# Altium PCB ESP12_RGBW_01.PcbDoc (continued)
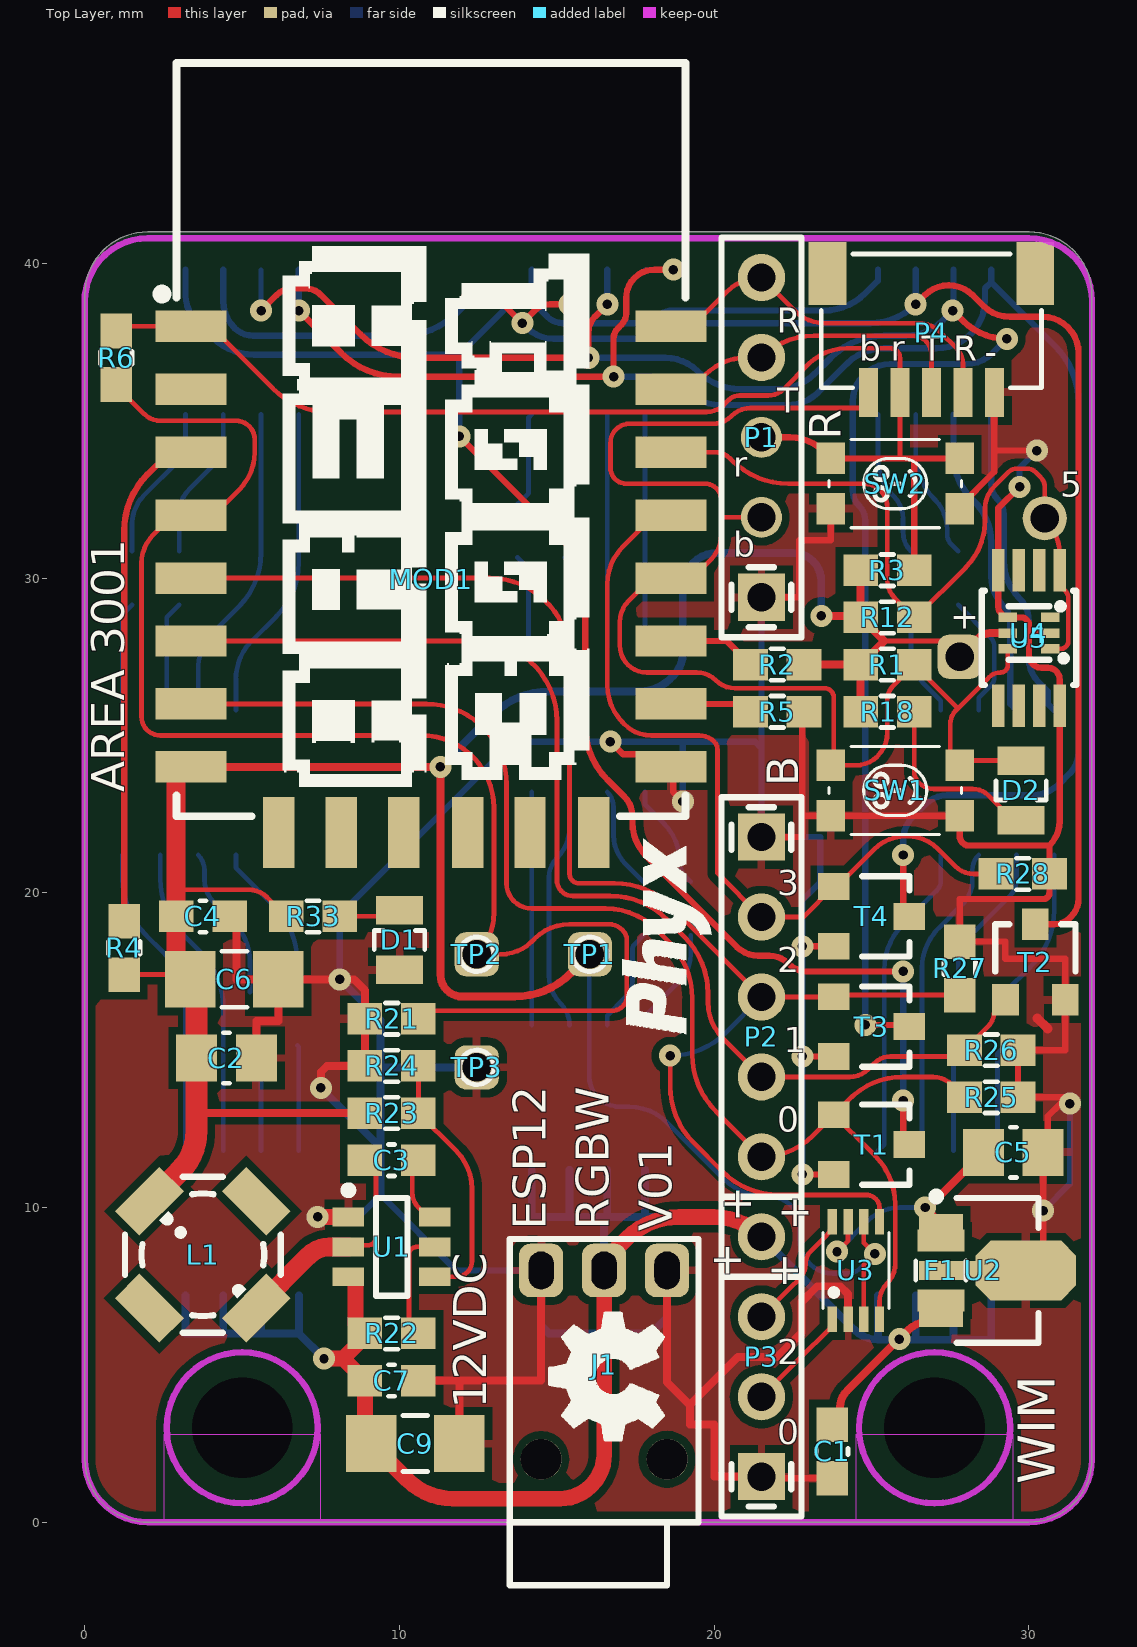
[diagram p0: Top Layer view]
## Nets (pads, with @x,y where several pads share a name; then routed paths per layer and width w, separated by ;. In a path a pad name is that pad's centre, name@x,y a point inside that pad or via, vN(x,y) a via of type N, cw(c..) or ccw(c..) an arc to the next point about the centre after c; other vN are vias at no path point)
3V3: C2.1 C4.1 C6.1 L1.2 MOD1.8 pad.6 R1.1 R2.1 R3.1 R4.1 R12.1 R18.1 R23.1 R33.1 TP1.1 U3.3 U3.6 U4.5 | length 98.5
  Top Layer w0.15: R4.1 3.2,17.4 C6.1 ; 2.9,20.1 5.197,20.1 cw(c5.197,19.247) 5.8,19.85 R33.1 ; R12.1@24.55,28.8 24.65,28.9 R12.1 ; U3.3 24.75,8.175 v1(25.1,8.525) 24.75,8.875 U3.6 ; 25.4,28 pad.6@28.3,28
  Top Layer w0.25: MOD1.8 v1(11.3,24) 11.3,17.4 ccw(c12,17.4) 12,16.7 13.648,16.7 ccw(c13.648,19.24) 15.444,17.444 TP1.1 ; 3.55,13 R23.1 ; R2.1 R1.1 ; v1(23.4,28.8) R12.1@24.55,28.8 ; R18.1 R1.1 25.4,28 ; R12.1 25.4,28 ; R12.1@24.65,28.9 R3.1 ; pad.6 28.3,28 28.4,28.1 cw(c28.762,27.738) 28.762,28.25 U4.5
  Top Layer w0.6: C6.1@3.2,17.4 2.9,17.7 C4.1 2.9,24 MOD1.8
  Top Layer w0.7: L1.2 3.028,11.172 ccw(c1.768,12.432) 3.55,12.432 ; C6.1 3.55,17.05 C2.1 3.55,12.432 ; 3.55,12.6 3.55,12.432
  Bottom Layer w0.15: 16.025,15.2 16.025,14.182 ; TP1.1 16.025,18.025 16.025,14.182 ; 16.312,13.487 cw(c17.007,14.182) 16.025,14.182 ; 16.313,13.487 ccw(c17.007,14.182) 17.007,13.2 17.293,13.2 cw(c17.293,11.493) 18.5,12.7 20.266,10.934 ccw(c21.7,12.368) 21.7,10.34 21.778,10.34 cw(c21.778,9.418) 22.43,10.07 ; 22.431,10.069 cw(c21.778,9.418) 22.7,9.418 22.7,9.01 ccw(c23.81,9.01) 23.025,8.225 23.049,8.201 ccw(c23.775,8.926) 23.775,7.9 24.2,7.9 ccw(c24.2,8.564) 24.669,8.094 ; 24.8,8.225 24.669,8.094 ; v1(25.1,8.525) 24.669,8.094
  Bottom Layer w0.25: v1(11.3,24) 12.956,25.656 cw(c14.752,23.86) 14.752,26.4 17.634,26.4 ccw(c17.634,27.766) 18.599,26.799 ; v1(23.4,28.8) 23.4,29.9 ccw(c22.5,29.9) 22.5,30.8 20.1,30.8 ccw(c20.1,29.7) 19,29.7 19,27.6 cw(c18.034,27.6) 18.718,26.918 ; 18.718,26.918 18.6,26.8 18.717,26.917
5V: C5.1 F1.2 U2.1 U3.7 | length 8.2
  Top Layer w0.15: v1(23.9,8.6) 24.25,8.95 U3.7 ; F1.2 U2.1
  Top Layer w0.25: U2.1 v1(26.7,10) 26.8,10 C5.1
  Bottom Layer w0.15: v1(23.9,8.6) 24.876,9.576 ; 24.876,9.576 cw(c25.9,8.551) 25.9,10 v1(26.7,10)
ADC: MOD1.2
EN: MOD1.3 R4.2 | length 16
  Top Layer w0.2: R4.2 1.25,31.498 cw(c3.79,31.498) 1.994,33.294 2.223,33.523 cw(c3.375,32.37) MOD1.3
FET0: MOD1.7 P2.5 R25.1 T1.1 U3.4 | length 43.3
  Top Layer w0.15: MOD1.7 10.86,26 cw(c10.86,23.46) 11.942,25.758 cw(c10.86,23.46) 13.158,24.542 cw(c10.86,23.46) 13.4,23.46 13.4,20.3 ccw(c14.2,20.3) 14.2,19.5 16.545,19.5 cw(c16.545,17.195) 18.175,18.825 18.556,18.444 cw(c16.76,16.648) 19.3,16.648 19.3,14.862 ccw(c21.84,14.862) 20.044,13.066 P2.5 ccw(c21.5,13.928) 23.138,12.288 ccw(c21.5,13.928) 23.139,12.289 T1.1 ; U3.4 25.25,6.996 cw(c26.104,6.996) 25.5,7.6 ccw(c24.896,8.204) 25.75,8.204 25.75,10.1 ccw(c23.577,10.1) 25.115,11.635 ccw(c23.577,10.1) 25.114,11.636 24.95,11.8 T1.1 ; R25.1 27.55,13.9 ccw(c26.947,13.296) 26.947,14.15 25.99,14.15 ccw(c25.99,11.76) 25.499,14.099 ccw(c25.99,11.76) 24.465,13.6 ccw(c25.99,11.76) 24.301,13.451 ccw(c25.99,11.76) 24.3,13.45 T1.1
FET1: MOD1.6 P2.4 R26.1 T2.1 | length 37
  Top Layer w0.15: MOD1.6 12.46,28 cw(c12.46,25.46) 15,25.46 15,20.4 ccw(c15.5,20.4) 15.5,19.9 16.698,19.9 cw(c16.698,17.36) 18.494,19.156 19.056,18.594 cw(c17.26,16.798) 19.8,16.798 19.8,16.522 ccw(c21.422,16.522) 20.274,15.376 ; 20.275,15.375 P2.4 24.296,14.15 ccw(c24.296,15.004) 24.9,14.4 25.088,14.588 cw(c25.6,14.076) 25.6,14.8 27.85,14.8 R26.1@27.95,14.9 ; R26.1 28.688,15.738 ccw(c28.176,16.25) 28.9,16.25 T2.1
FET2: MOD1.5 P2.3 R27.1 T3.1 U3.5 | length 47.9
  Top Layer w0.15: MOD1.5 12.86,30 cw(c12.86,27.46) 15.4,27.46 15.4,20.6 ccw(c15.7,20.6) 15.7,20.3 16.838,20.3 cw(c16.838,17.76) 18.634,19.556 P2.3 23.79,16.69 T3.1 ; v1(18.6,14.825) 18.6,13.852 ccw(c21.14,13.852) 19.344,12.056 20.256,11.144 ccw(c22.052,12.94) 22.052,10.4 24.823,10.4 cw(c24.823,9.973) 25.125,10.275 25.144,10.256 cw(c24.888,10) 25.25,10 U3.5 ; T3.1@23.85,16.75 R27.1
  Bottom Layer w0.15: v1(18.6,14.825) ccw(c18.6,17.324) 20.366,15.556 ; 20.367,15.557 P2.3
FET3: MOD1.19 P2.2 R28.1 T4.1 | length 25.9
  Top Layer w0.15: MOD1.19 18.1,32 17.095,30.995 ccw(c18.29,29.8) 16.6,29.8 16.6,26.607 ccw(c18.307,26.607) 16.731,25.95 ccw(c18.307,26.607) 17.1,25.4 17.146,25.354 ccw(c18,26.207) 17.647,25.053 ccw(c18,26.207) 18,25 19.517,25 cw(c19.517,24.317) 20,24.8 cw(c19.759,24.559) 20.1,24.559 20.1,20.63 P2.2 22.83,19.23 T4.1 23.9,20.2 25.076,21.376 ; 25.076,21.376 cw(c26.1,20.351) 26.1,21.8 26.135,21.8 cw(c26.135,20.435) 27.1,21.4 27.653,20.848 ; 27.653,20.847 ccw(c28.25,21.445) 28.25,20.6 R28.1
FTDI.RXD: MOD1.22 P1.5 P4.2 | length 11.9
  Top Layer w0.15: MOD1.22 ccw(c18.625,39.63) 19.777,38.477 20.39,39.09 cw(c21.5,37.981) P1.5 22.561,38.489 ccw(c23.5,39.428) 23.5,38.1 26.476,38.1 cw(c26.476,37.076) 26.609,38.091 cw(c26.476,37.076) 27.2,37.8 27.688,37.312 cw(c27.176,36.8) 27.9,36.8 P4.2
FTDI.TXD: MOD1.21 P1.4 P4.3 | length 10.3
  Top Layer w0.15: MOD1.21 ccw(c18.625,37.509) 19.692,36.442 cw(c21.063,35.071) 21.063,37.01 P1.4 cw(c23.166,35.344) P1.4 cw(c23.166,35.344) 23.166,37.7 26.3,37.7 cw(c26.3,37.1) 26.9,37.1 P4.3
GND: C1.2 C2.2 C4.2 C5.2 C6.2 C7.1 C9.2 D1.2 J1.2 J1.3 MOD1.15 P1.1 P2.1 P3.1 P4.1 R5.2 R21.2 R24.2 R25.2 R26.2 R27.2 R28.2 SW1.2 SW2.2 T1.2 T2.2 T3.2 T4.2 TP3.1 U1.1 U2.2 U3.2 U4.2 U4.4 U5.4 U5.8 | length 190.1
  Top Layer w0.2: v1(16.7,24.8) 17.1,24.4 17.6,24.4 18,24 MOD1.15 18.7,23.925 18.7,23.2 v1(19,22.9) ; P3.1 21.55,1.4 C1.2 ; P2.1 22.8,21.77 22.8,22.45 ; P1.1 22.7,29.39 22.7,31.2 23.7,31.2 SW2.2@23.7,32.2 ; v1(22.8,11.05) T1.2 ; v1(22.8,14.8) T3.2 ; v1(22.8,18.3) T4.2 ; R5.2 22.8,25.7 22.8,22.45 ; U2.2@27.4,8 29.9,8 30.45,8.55 v1(30.45,9.9) C5.2 30.6,11.9 30.6,12.9 31,13.3 v1(31.3,13.3) 31.3,13.5 R25.2 R26.2 31.15,15 T2.2 31.15,17.9 29.25,17.9 29.25,18.45 R27.2 27.8,19.8 30.45,19.8 ccw(c30.45,20) 30.65,20 R28.2 30.65,21.5 ; 27.8,21.85 27.8,21.8 ; SW2.2@27.8,32.2 27.8,32.273 28.9,33.373 P4.1 ; 28.9,34.05 v1(30.25,34.05) ; U4.4@29.25,28.75 U4.4 ; v1(29.7,32.9) 29.025,32.225 U5.4 29.025,29.081 ccw(c29.281,29.081) 29.1,28.9 29.197,28.803 ccw(c29.325,28.931) U4.4 ; U4.2 30,28.25 ; 30.975,22.3 30.975,22.284 ; 22.8,22.45 23.7,22.45 27.8,22.45 27.8,21.8 ; 27.8,21.8 ccw(c28.1,21.8) 28.1,21.5 30.65,21.5 ; U4.4 29.75,28.75 cw(c29.75,28.5) 30,28.5 30,28.25 ; 30,28.25 30,27.55 ccw(c30.4,27.55) 30.4,27.15 30.6,27.15 cw(c30.6,26.775) 30.975,26.775 U5.8 30.975,22.284 ; 30.65,21.5 ccw(c29.866,22.284) 30.975,22.284
  Top Layer w0.25: C4.2 4.825,19.25 4.825,17.25 C6.2 ; C2.2 5.45,15.925 6.15,15.925 C6.2 ; v1(7.5,13.8) 7.5,14.3 7.7,14.5 R24.2 R21.2 8.9,16.9 8.55,17.25 v1(8.1,17.25) C6.2 ; D1.2@9.55,17.55 D1.2 ; C7.1 11.9,4.5 ; C9.2 11.9,4.5 ; J1.3 14.5,4.5 11.9,4.5 ; J1.2 18.5,4.45 19.225,3.725 ; P3.1 20,1.45 20,3.1 19.225,3.1 19.225,3.725 ; U3.2 24.25,7.25 24,7.5 23.27,7.5 22.77,7 22.77,6.02 22,5.25 20.75,5.25 19.225,3.725
  Top Layer w0.3: 30.265,16.015 30.594,15.685
  Top Layer w0.5: v1(7.4,9.7) U1.1
  Bottom Layer w0.2: v1(7.4,9.7) 8.7,9.7 9.4,10.4 11.8,8 J1.3 ; v1(8.1,17.25) 8.1,19.3 13.6,24.8 v1(16.7,24.8) 19,24.8 ; v1(19,22.9) 19,24.8 ; P1.1 21.5,24.6 ; v1(22.8,11.05) v1(22.8,14.8) v1(22.8,18.3) 22.8,19.76 23.37,20.33 23.37,21.77 P2.1 21.5,24.6 ; v1(29.7,32.9) 29.7,33.5 v1(30.25,34.05) ; v1(30.45,9.9) 31.3,10.75 v1(31.3,13.3) ; 19,24.8 21.3,24.8 21.5,24.6
  Bottom Layer w0.25: v1(7.5,13.8) 9.4,11.9 ; v1(8.1,17.25) 9.4,15.95 9.4,11.9 ; 9.4,10.4 9.4,11.9 ; 9.4,14.454 TP3.1 ; J1.3 14.5,6.25 14.75,6 18,6 18.5,6.5 J1.2
GPIO0: D2.2 MOD1.18 P1.2 P4.5 R1.2 SW1.1 U4.6 | length 45.3
  Top Layer w0.15: 17.249,27.251 cw(c17.854,27.854) 17,27.854 17,28.6 cw(c17.966,28.6) 17.283,29.283 ; 17.25,27.25 ccw(c17.854,27.854) 17.854,27 19.446,27 cw(c19.446,26.146) 20.05,26.75 ccw(c20.654,27.354) 20.654,26.5 23.5,26.5 cw(c23.5,26.2) 23.8,26.2 23.8,24.15 23.7,24.05 24.5,24.05 ccw(c24.5,25.015) 25.183,24.333 ccw(c24.416,25.099) 25.5,25.099 25.5,26.117 cw(c26.183,26.117) 25.7,26.6 R1.2 27.741,25.859 ; 17.283,29.283 18,30 MOD1.18 19.3,30 19.9,30.6 ; 19.901,30.601 ccw(c19.115,31.385) 20.225,31.385 20.225,31.925 ; P1.2 20.23,31.93 20.225,31.925 ; P4.5@24.9,36 24.9,35.6 24.7,35.4 21.154,35.4 ccw(c21.154,34.546) 20.55,35.15 cw(c19.946,35.754) 19.946,34.9 17.3,34.9 ccw(c17.3,34.3) 16.7,34.3 16.7,33.5 ccw(c17.2,33.5) 17.2,33 19.7,33 cw(c19.7,32.475) 20.225,32.475 20.225,31.925 ; 27.681,25.799 ccw(c28.121,25.361) 27.5,25.361 27.5,24.35 27.8,24.05 27.95,24.2 D2.2 ; 27.682,25.8 28.7,26.818 28.728,26.846 cw(c29.1,26.473) 29.1,27 ccw(c29.1,27.225) 29.325,27.225 U4.6
GPIO2: MOD1.17 R2.2 | length 2.8
  Top Layer w0.2: MOD1.17 20.4,28 R2.2
GPIO5: MOD1.20 pad.7 R12.2 U4.1 U5.1 | length 24.5
  Top Layer w0.15: MOD1.20 20.017,34 cw(c20.017,33.317) 20.5,33.8 20.556,33.744 ccw(c22.352,35.54) 22.352,33 24.75,33 cw(c24.75,32.25) 25.5,32.25 25.5,29.918 ccw(c26.268,29.918) 25.725,29.375 R12.2 26.4,28.75 27.999,30.349 ccw(c26.548,31.8) 28.589,31.589 ccw(c26.548,31.8) 28.6,31.8 28.6,32.189 cw(c29.624,32.189) 28.9,32.913 29.364,33.377 ; 29.364,33.378 cw(c29.6,33.141) 29.6,33.475 29.959,33.475 cw(c29.959,33.134) 30.2,33.375 ; 30.2,33.375 30.376,33.199 cw(c30.078,32.9) 30.5,32.9 pad.7 cw(c29.353,30.753) 30.975,30.753 U5.1 30.975,29.775 31.15,29.6 cw(c30.909,29.359) 31.25,29.359 31.25,28 cw(c31,28) 31,27.75 U4.1
GPIO9: MOD1.11
GPIO10: MOD1.12
GPIO15: MOD1.16 R5.1 | length 2.6
  Top Layer w0.2: MOD1.16 20.9,26 R5.1
GPIO16: MOD1.4 R6.2 R21.1 TP2.1 | length 47.9
  Top Layer w0.15: R6.2 1,36.1 1.888,35.212 ccw(c2.4,35.724) 2.4,35 4.8,35 cw(c4.8,34.4) 5.4,34.4 5.4,34.007 cw(c3.693,34.007) 4.9,32.8 4.1,32 MOD1.4 ccw(c3.375,30.612) 2.393,31.593 2.173,31.373 ccw(c3.075,30.472) 1.8,30.472 1.8,25.6 ccw(c2.4,25.6) 2.4,25 10.7,25 cw(c10.7,22.7) 11.413,24.887 cw(c10.7,22.7) 12.887,23.413 cw(c10.7,22.7) 13,22.7 13,19.364 cw(c11.136,19.364) TP2.1 13.225,18.046 ccw(c13.225,19.425) 14.2,18.45 14.29,18.54 cw(c15.4,17.431) 15.4,19 16.65,19 cw(c16.65,18.4) 16.76,18.99 cw(c16.65,18.4) 17.223,18.577 17.223,16.723 cw(c16.75,16.723) 16.75,16.25 10.85,16.25 ccw(c10.85,16) R21.1
IO12: P3.3 U3.8 | length 3.9
  Top Layer w0.15: P3.3 22.4,7.43 22.709,7.739 ccw(c22.248,8.2) 22.77,7.809 ccw(c22.248,8.2) 22.9,8.2 cw(c23.504,8.2) 23.077,8.627 23.573,9.123 ccw(c23.146,9.55) U3.8
IO13: P3.2 U3.1 | length 3.4
  Top Layer w0.15: P3.2 22.77,5.26 23.602,6.092 ccw(c23.243,6.45) U3.1
LED0: D8.8 D9.8 D11.8 T1.3 | length 59.7
  Top Layer w0.2: v1(11.9,34.5) 15.156,31.244 cw(c13.36,29.448) 15.9,29.448 15.9,25.29 ccw(c18.29,25.29) 16.599,23.601 ; 16.6,23.6 17.14,23.06 cw(c16.511,22.432) 17.4,22.432 17.4,22.236 ccw(c18.936,22.236) 17.85,21.15 20.717,18.283 ccw(c21.4,18.966) 21.4,18 21.746,18 cw(c21.746,17.146) 22.35,17.75 ccw(c22.954,18.354) 22.954,17.5 v1(26,17.5) ; v1(26,13.4) 26,12.2 T1.3
  Bottom Layer w0.2: D11.8 3.2,39 ccw(c4.407,39) 3.554,38.146 4.05,37.65 ccw(c5.378,38.978) 5.378,37.1 11.9,37.1 ; v1(11.9,34.5) 11.9,37.1 ; D9.8 14.2,38.8 ; 14.7,38.3 ccw(c15.183,38.783) 15.183,38.1 17.717,38.1 ccw(c17.717,38.783) 18.2,38.3 cw(c18.683,37.817) 18.683,38.5 23.472,38.5 ccw(c23.472,40.378) 24.8,39.05 25.2,39.45 D8.8 ; 14.7,38.3 14.2,38.8 ; v1(26,13.4) v1(26,17.5) ; 11.9,37.1 13.4,38.6 cw(c13.883,38.117) 13.883,38.8 14.2,38.8
LED1: D8.6 D9.6 D11.6 T2.3 | length 54.4
  Top Layer w0.2: v1(12.3,38.9) 12.817,38.9 cw(c12.817,38.217) 13.3,38.7 v1(13.9,38.1) 14.3,38.5 ; 14.301,38.5 cw(c14.783,38.017) 14.783,38.7 v1(15.4,38.7) ; v1(26.4,38.7) 26.682,38.982 cw(c27.45,38.214) 27.45,39.3 cw(c27.45,38.214) 28.218,38.982 28.546,38.654 ccw(c29.4,39.507) 29.4,38.3 30.431,38.3 cw(c30.431,37.156) 31.575,37.156 31.575,19.811 cw(c30.764,19.811) 31.338,19.238 ; T2.3 30.8,19 ccw(c30.8,19.724) 31.312,19.212 ; T2.3@30.45,19.1 T2.3@30.45,19.25 ; 31.312,19.212 31.338,19.238
  Bottom Layer w0.2: D11.6 4.4,38.795 ccw(c5.595,38.795) 4.75,37.95 ccw(c5.354,38.554) 5.354,37.7 10.048,37.7 ccw(c10.048,40.24) 11.844,38.444 v1(12.3,38.9) ; v1(13.9,38.1) 14.046,37.954 ccw(c14.9,38.807) 14.056,37.944 ccw(c14.9,38.807) 14.9,37.6 18.36,37.6 ccw(c18.36,38.624) 19.084,37.9 cw(c19.567,37.417) 19.567,38.1 24.951,38.1 ccw(c24.951,40.149) v1(26.4,38.7) D8.6 ; v1(15.4,38.7) D9.6
LED2: D8.4 D9.4 D11.4 T3.3 | length 58.9
  Top Layer w0.2: v1(5.6,38.5) 6.088,38.988 ; 6.088,38.988 cw(c6.6,38.476) 6.6,39.2 7.017,39.2 cw(c7.017,38.517) 7.5,39 ; 7.5,39 8.756,37.744 ccw(c10.552,39.54) 10.552,37 v1(16,37) 16,37.8 cw(c16.724,37.8) 16.212,38.312 v1(16.6,38.7) ; v1(24.8,15.8) 26.15,15.8 T3.3 ; v1(27.575,38.5) 27.892,38.183 ccw(c29.3,39.592) v1(29.3,37.6)
  Bottom Layer w0.15: v1(5.6,38.5) D11.4
  Bottom Layer w0.2: v1(16,37) 18.439,37 cw(c18.439,35.53) 19.479,36.569 ccw(c20.853,37.944) 19.769,36.33 ccw(c20.853,37.944) 20.853,36 22,36 ccw(c22,37.69) 22.333,36.033 ccw(c22,37.69) 23.195,36.495 23.693,36.993 cw(c25.4,35.286) 25.4,37.7 26.088,37.7 ccw(c26.088,39.36) 27.261,38.186 v1(27.575,38.5) 27.6,38.525 D8.4 ; v1(16.6,38.7) D9.4 ; v1(24.8,15.8) 24.8,31.817 ccw(c24.117,31.817) 24.6,32.3 cw(c25.083,32.783) 24.4,32.783 24.4,35.605 cw(c25.595,35.605) 24.75,36.45 cw(c25.595,35.605) 25.595,36.8 28,36.8 ccw(c28,38.007) 28.853,37.153 v1(29.3,37.6)
LED3: D8.2 D9.2 D11.2 T4.3 | length 57.7
  Top Layer w0.2: v1(6.8,38.5) 8.156,37.144 ccw(c9.952,38.94) 9.952,36.4 v1(16.8,36.4) 16.8,37.6 cw(c17.283,37.6) 16.941,37.941 17.05,38.05 ccw(c16.688,38.412) 17.2,38.412 17.2,38.9 cw(c18.1,38.9) 17.288,39.288 cw(c18.1,38.9) 17.712,39.712 cw(c18.1,38.9) 18.1,39.8 v1(18.7,39.8) ; v1(26,21.2) 26,19.45 T4.3
  Bottom Layer w0.15: D9.2 v1(18.7,39.8)
  Bottom Layer w0.2: v1(6.8,38.5) D11.2 ; v1(16.8,36.4) 18,36.4 cw(c18,34.71) 19.195,35.905 ccw(c20.173,36.883) 20.173,35.5 22.334,35.5 ccw(c22.334,36.866) 22.633,35.533 ccw(c22.334,36.866) 23.3,35.9 24.205,36.805 cw(c25.4,35.61) 25.4,37.3 27.064,37.3 ccw(c27.064,38.836) 28.15,37.75 ; v1(26,21.2) 26,21.676 cw(c27.024,21.676) 26.3,22.4 26.717,22.817 cw(c27.4,22.134) 27.4,23.1 30.1,23.1 ccw(c30.1,24.307) 30.953,23.453 ; 28.15,37.75 ccw(c27.064,38.836) 28.6,38.836 28.6,39.2 D8.2@28.8,39.4 ; D8.2 D8.2@28.8,39.4 ; 30.954,23.454 31.3,23.8 ccw(c30.636,24.464) 31.575,24.464 31.575,35.573 ccw(c29.035,35.573) 30.831,37.369 D8.2@28.8,39.4
NetC3_1: C3.1 U1.6 | length 2.3
  Top Layer w0.15: C3.1 10.4,11.3 10.4,10.483 ccw(c11.083,10.483) 10.6,10 10.9,9.7 U1.6
NetC3_2: C3.2 L1.1 U1.2 | length 7.3
  Top Layer w0.15: U1.2 cw(c8.425,8.75) 8.425,8.8 9,8.8 ccw(c9,9.05) 9.25,9.05 9.25,11.15 C3.2
  Top Layer w0.6: L1.1 7.122,8.478 cw(c7.779,7.821) 7.779,8.75 U1.2
NetD1_1: D1.1 R33.2 | length 2
  Top Layer w0.15: R33.2 9.8,19.25 D1.1
NetD2_1: D2.1 R18.2 | length 6
  Top Layer w0.15: R18.2 26.35,23.862 ccw(c26.862,23.862) 26.5,23.5 ccw(c26.983,23.983) 26.983,23.3 28.217,23.3 cw(c28.217,22.617) 28.7,23.1 29.5,22.3 D2.1
NetD3_2: D3.2 R8.1 | length 3.4
  Bottom Layer w0.15: R8.1 6.8,15.1 D3.2
NetD3_4: D3.4 R7.1 | length 3.5
  Bottom Layer w0.15: R7.1 5.6,14.8 D3.4
NetD3_6: D3.6 D10.5 | length 10
  Bottom Layer w0.15: D10.5 2.4,20.452 ccw(c4.94,20.452) 3.144,18.656 3.656,18.144 cw(c1.86,16.348) 4.4,16.348 D3.6
NetD3_8: D3.8 D10.7 | length 10
  Bottom Layer w0.15: D10.7 1.2,20.452 ccw(c3.74,20.452) 1.944,18.656 2.456,18.144 cw(c0.66,16.348) 3.2,16.348 D3.8
NetD4_2: D4.2 R10.1 | length 3.5
  Bottom Layer w0.15: D4.2 29,12 29,14.9 R10.1
NetD4_4: D4.4 R9.1 | length 3.4
  Bottom Layer w0.15: D4.4 27.6,15 R9.1
NetD4_6: D4.6 D6.5 | length 10.1
  Bottom Layer w0.15: D4.6 26.6,12 26.6,17.6 cw(c28.411,17.6) 27.13,18.88 27.9,19.65 ccw(c27.176,20.374) 28.2,20.374 28.2,20.717 cw(c28.883,20.717) D6.5
NetD4_8: D4.8 D6.7 | length 10.1
  Bottom Layer w0.15: D4.8 25.4,12 25.4,17.551 cw(c27.449,17.551) 26,19 27.059,20.059 ; 27.059,20.059 ccw(c26.717,20.4) 27.2,20.4 D6.7
NetD5_2: D5.2 R13.1 | length 3.4
  Bottom Layer w0.15: D5.2 17.8,16.1 18.9,17.2 ccw(c18.055,18.045) 19.25,18.045 R13.1
NetD5_4: D5.4 R11.1 | length 3.3
  Bottom Layer w0.15: D5.4 16.6,16.1 17.175,16.675 ccw(c16.632,17.218) 17.4,17.218 17.4,18.2 cw(c17.641,18.2) 17.471,18.371 R11.1
NetD5_6: D5.6 D7.5 | length 7.7
  Bottom Layer w0.15: D5.6 ccw(c14.434,15.8) 15.117,16.483 cw(c16.004,17.369) 14.75,17.369 14.75,20.496 cw(c15.604,20.496) 15,21.1 ccw(c14.034,22.066) 15.4,22.066 D7.5
NetD5_8: D5.8 D7.7 | length 7.4
  Bottom Layer w0.15: D5.8 D7.7
NetD6_1: D6.1 R10.2 | length 4.9
  Bottom Layer w0.15: R10.2 30.056,17.656 ccw(c28.26,19.452) 30.8,19.452 D6.1
NetD6_2: D6.2 D8.1 | length 10
  Bottom Layer w0.2: D8.1 28.8,32.983 ccw(c29.483,32.983) 29,32.5 ; 29,32.5 cw(c28.517,32.017) 29.2,32.017 29.2,30.557 ccw(c30.907,30.557) 29.7,29.35 cw(c28.976,28.626) 30,28.626 30,27.424 ccw(c31.024,27.424) 30.3,26.7 30.6,26.4 30.6,26 D6.2
NetD6_3: D6.3 R9.2 | length 5
  Bottom Layer w0.15: R9.2 27.75,17.7 cw(c29.078,17.7) 28.139,18.639 29.388,19.888 ccw(c28.876,20.4) 29.6,20.4 D6.3
NetD6_4: D6.4 D8.3 | length 10
  Bottom Layer w0.2: D8.3 27.6,33.9 ccw(c29.531,33.9) 28.165,32.535 ; 28.166,32.534 28.25,32.45 ; 28.251,32.449 cw(c26.922,31.122) 28.8,31.122 28.8,30.066 ccw(c30.166,30.066) 29.2,29.1 cw(c28.717,28.617) 29.4,28.617 29.4,26 D6.4
NetD6_6: D6.6 R17.1 | length 4
  Bottom Layer w0.15: R17.1 28.758,28.142 cw(c28.417,27.8) 28.9,27.8 28.9,26.841 cw(c28.559,26.841) 28.8,26.6 28.4,26.2 D6.6
NetD6_8: D6.8 R16.1 | length 3.7
  Bottom Layer w0.15: R16.1 26.25,27.651 ccw(c27.701,27.651) 26.674,26.626 27.2,26.1 D6.8
NetD7_1: D7.1 R13.2 | length 3.3
  Bottom Layer w0.15: D7.1 17.8,22.8 18.405,22.195 cw(c17.21,21) 18.9,21 ccw(c19.624,21) 19.112,20.488 R13.2
NetD7_2: D7.2 D9.1 | length 7.4
  Bottom Layer w0.15: D7.2 D9.1
NetD7_3: D7.3 R11.2 | length 3.2
  Bottom Layer w0.15: D7.3 cw(c16.117,22.717) 16.8,22.717 16.8,21.831 ccw(c18.08,21.831) 17.174,20.926 ; 17.175,20.925 R11.2
NetD7_4: D7.4 D9.3 | length 7.4
  Bottom Layer w0.15: D7.4 D9.3
NetD7_6: D7.6 R20.1 | length 2.9
  Bottom Layer w0.15: R20.1 15.4,30.5 D7.6
NetD7_8: D7.8 R19.1 | length 3
  Bottom Layer w0.15: R19.1 14.1,30.3 14.1,27.9 D7.8
NetD8_5: D8.5 R17.2 | length 4.7
  Bottom Layer w0.15: D8.5 26.4,33.948 ccw(c28.448,33.948) 26.999,32.501 ; 27,32.5 cw(c26.034,31.534) 27.4,31.534 27.4,31.4 ccw(c27.882,31.4) 27.541,31.059 R17.2
NetD8_7: D8.7 R16.2 | length 4.6
  Bottom Layer w0.15: D8.7 25.2,33.807 ccw(c26.907,33.807) 25.7,32.6 cw(c24.976,31.876) 26,31.876 26,31.454 ccw(c26.854,31.454) R16.2
NetD9_5: D9.5 R20.2 | length 2.9
  Bottom Layer w0.15: R20.2 15.4,32.5 D9.5
NetD9_7: D9.7 R19.2 | length 3
  Bottom Layer w0.15: R19.2 14.1,32.7 14.1,35.1 D9.7
NetD10_1: D10.1 R8.2 | length 5
  Bottom Layer w0.15: D10.1 4.8,20.8 6.006,19.594 cw(c4.21,17.798) 6.75,17.798 R8.2
NetD10_2: D10.2 D11.1 | length 10.1
  Bottom Layer w0.15: D10.2 4.8,26.793 cw(c6.507,26.793) 4.823,27.073 cw(c6.507,26.793) 5.3,28 6.093,28.793 ccw(c4.386,30.5) 6.8,30.5 D11.1
NetD10_3: D10.3 R7.2 | length 4.9
  Bottom Layer w0.15: D10.3 cw(c3.117,20.717) 3.8,20.717 3.8,20.424 ccw(c4.824,20.424) 4.1,19.7 4.701,19.099 cw(c3.376,17.774) 5.25,17.774 R7.2
NetD10_4: D10.4 D11.3 | length 10.1
  Bottom Layer w0.15: D10.4 3.6,27.1 cw(c5.29,27.1) 3.622,27.372 cw(c5.29,27.1) 4.095,28.295 4.893,29.093 ccw(c3.186,30.8) 5.6,30.8 D11.3
NetD10_6: D10.6 R15.1 | length 3.6
  Bottom Layer w0.15: D10.6 2.6,26 2.6,28.75 R15.1
NetD10_8: D10.8 R14.1 | length 3.5
  Bottom Layer w0.15: D10.8 1.2,28.85 R14.1
NetD11_5: D11.5 R15.2 | length 4.8
  Bottom Layer w0.15: R15.2 3,32.076 cw(c4.024,32.076) 3.3,32.8 4.117,33.617 ccw(c3.434,34.3) 4.4,34.3 D11.5
NetD11_7: D11.7 R14.2 | length 5
  Bottom Layer w0.15: R14.2 1.5,31.7 cw(c2.828,31.7) 1.889,32.639 2.95,33.7 ccw(c2.346,34.304) 3.2,34.304 D11.7
NetR22_2: R22.2 U1.5 | length 3.6
  Top Layer w0.15: R22.2 cw(c10.6,6.3) 10.4,6.077 cw(c10.6,6.3) 10.3,6.3 10.3,8.5 cw(c10.55,8.5) 10.55,8.75 U1.5
NetR23_2: R23.2 R24.1 U1.4 | length 8.3
  Top Layer w0.15: R24.1 R23.2 11.8,11.8 ; U1.4 11.8,7.8 ccw(c11.8,8.3) 12.3,8.3 12.3,10.593 ccw(c10.593,10.593) 11.801,11.8
R\S\T\: MOD1.1 P1.3 P4.4 R3.2 R6.1 SW2.1 | length 40
  Top Layer w0.15: R6.1 1.15,38 MOD1.1 4,38 5.981,36.019 ccw(c7.777,37.815) 7.777,35.275 19.757,35.275 ccw(c19.757,36.043) 20.3,35.5 20.459,35.659 cw(c20.8,35.317) 20.8,35.8 21.717,35.8 ccw(c21.717,36.483) 22.2,36 23.005,36.805 cw(c24.2,35.61) 24.2,37.3 25.6,37.3 cw(c25.6,37) 25.9,37 P4.4 25.9,33.85
  Top Layer w0.2: P1.3@21.7,34.47 22.403,34.47 cw(c22.403,32.956) 23.473,34.027 23.7,33.8 26.35,33.8 ; R3.2 26.35,33.8 ; SW2.1@27.9,33.9 27.8,33.8 26.35,33.8
SPI.CLK: MOD1.14
SPI.INT: MOD1.13
SPI.MISO: MOD1.10
SPI.MOSI: MOD1.9
VIN: C1.1 C7.2 C9.1 D3.1 D3.3 D3.5 D3.7 D4.1 D4.3 D4.5 D4.7 D5.1 D5.3 D5.5 D5.7 F1.1 J1.1 P2.6 P3.4 R22.1 U1.3 U2.3 | length 72.8
  Top Layer w0.25: C1.1 24,3.35 24,3.654 cw(c24.734,3.654) 24.215,4.173 v1@25.871,5.829 ; v1(25.881,5.819) 26.151,6.09 cw(c26.9,5.341) 26.9,6.4 26.953,6.453 ccw(c26.355,7.05) U2.3@26.992,6.495 ; U2.3 U2.3@27.107,6.5 ; F1.1 cw(c26.355,7.05) U2.3@26.996,6.5 ; U2.3@26.992,6.495 ccw(c26.355,7.05) U2.3@26.996,6.5 ; U2.3@26.992,6.495 ccw(c27.107,5.134) 26.753,6.453 26.8,6.5 U2.3@26.996,6.5 ; U2.3@26.992,6.495 cw(c27.107,5.134) U2.3@27.107,6.5 ; U2.3@26.996,6.5 U2.3@27.107,6.5
  Top Layer w0.4: R22.1@8.9,5.9 R22.1
  Top Layer w0.5: v1(7.6,5.2) 8.2,5.2 ; U1.3 8.6,7.8 8.6,6.3 R22.1 ; R22.1@8.9,5.9 8.2,5.2 ; P2.6 ccw(c19.979,7.549) 19.979,9.7 18.886,9.7 ccw(c18.886,7.319) 17.203,9.003 16.712,8.512 ccw(c17.224,8) J1.1 16.5,2.15 cw(c15.1,2.15) 16.412,1.662 cw(c15.1,2.15) 15.588,0.838 cw(c15.1,2.15) 15.1,0.75 11.7,0.75 cw(c11.7,2.802) 10.249,1.351 C9.1 8.9,2.7 C7.2 8.2,5.2
  Bottom Layer w0.25: D3.7 3.2,6 4.4,6 ; D3.5 4.4,6 ; D3.3 5.6,6 ; D3.1 6.8,6 ; v1(7.6,5.2) 6.8,6 ; D5.7 14.2,9.7 15.4,9.7 ; D5.5 15.4,9.7 ; J1.1 16.5,9.7 ; D5.3 16.6,9.7 ; D5.1 17.8,9.7 ; D4.7 25.2,5.8 ; D4.5 26.4,5.8 ; D4.3 27.6,5.8 ; D4.1 28.8,5.8 27.6,5.8 ; 4.4,6 5.6,6 ; 5.6,6 6.8,6 ; 15.4,9.7 16.5,9.7 ; 16.5,9.7 16.6,9.7 ; 16.6,9.7 17.8,9.7 ; 17.8,9.7 19.979,9.7 cw(c19.979,7.549) P2.6 24.466,6.104 ccw(c25.2,6.838) 25.2,5.8 ; 25.2,5.8 26.4,5.8 ; 26.4,5.8 27.6,5.8
pads on no net: J1.MH1 J1.MH2 L1.3 L1.4 P4.Z1 P4.Z2 U4.3 U5.2 U5.3 U5.5 U5.6 U5.7

## Polygon pours and split planes (outlines as drawn)
GND on Bottom Layer "B_GND" (solid, remove dead copper, pour order 2): 0,0 0,40.8 32,40.8 32,0
GND on Top Layer "B_GND" (solid, remove dead copper, pour order 4): 0,0 0,41 32,41 32,0

## Keep-outs
Top Layer:
  rectangle: 24.5,0.05 29.5,2.775
  rectangle: 2.5,0.05 7.5,2.775
Bottom Layer:
  rectangle: 24.5,0.05 29.5,2.775
  rectangle: 2.5,0.05 7.5,2.775
Keep-Out Layer:
  circle w0.2: c27,3 r2.4
  circle w0.2: c5,3 r2.4
  lines w0.2: 0,38.8 cw(c2,38.8) 2,40.8 30,40.8 cw(c30,38.8) 32,38.8 32,2 cw(c30,2) 30,0 2,0 cw(c2,2) 0,2 0,39
  text ".Layer_Name" at 298.5,-23 h3.5

## Other copper
Top Layer:
  pour cut-out: 5.6,23.2 5.6,20.6 16.8,20.6 16.8,23.1
  text ".Layer_Name" at 298.5,-23 h3.5
Bottom Layer:
  pour cut-out: 27,17.5 27,14.5 30,14.5 30,17.5
  pour cut-out: 17,21 17,18 20,18 20,21
  pour cut-out: 4.5,17.5 4.5,14.5 7.5,14.5 7.5,17.5
  pour cut-out: 0.75,31.5 0.75,28.5 3.75,28.5 3.75,31.5
  pour cut-out: 13,33 13,30 16,30 16,33
  pour cut-out: 25.5,31.5 25.5,28.5 28.5,28.5 28.5,31.5
  text ".Layer_Name" at 298.5,-23 h3.5

## Silkscreen, mask and mechanical layers (free items; w line width, h text height)
Top Overlay:
  drawing of 32 lines, arcs and shapes, not listed
  text "R" at 21.99,37.79 h0.8
  text "b" at 24.6,36.9 h0.8
  text "r" at 25.6,36.9 h0.8
  text "T" at 26.6,36.9 h0.8
  text "R" at 27.6,36.9 h0.8
  text "-" at 28.6,36.8 h0.8
  text "T" at 22,35.26 h0.8
  text "R" at 24.35,34.4 h1.72 r90
  text "r" at 20.6,33.22 h0.8
  text "5" at 31,32.59 h0.8
  text "b" at 20.6,30.68 h0.8
  text "+" at 27.5,28.39 h0.8
  text "B" at 23,23.379 h1.72 r90
  text "AREA 3001" at 1.6,23.2 h1.8 r90
  text "3" at 22,19.92 h0.8
  text "2" at 22,17.48 h0.8
  text "1" at 22.2,14.94 h0.8
  text "0" at 22,12.4 h0.8
  text "+" at 21.17,9.53 h1 r90
  text "+" at 22,9.4 h1
  text "ESP12" at 15,9.3 h1.8 r90
  text "RGBW" at 17,9.3 h1.8 r90
  text "V01" at 19,9.25 h1.8 r90
  text "+" at 21,8.74 h1 r180
  text "+" at 21.83,8.57 h1 r270
  text "2" at 22,5.02 h0.8
  text "12VDC" at 13.1,3.6 h1.8 r90
  text "0" at 22,2.48 h0.8
  text "WIM" at 31.2,1.2 h2 r90
  text ".Layer_Name" at 298.5,-23 h3.5
Bottom Overlay:
  lines w1: -0.298,3.231 cw(c14.1,-7.95) 30.595,-0.19 ; -0.266,2.311 ccw(c9.75,28.25) 32.204,11.851 ; -0.195,22.47 ccw(c10.75,52.25) 32.2,28.872 ; -0.039,36.049 cw(c19.75,11.25) 8.461,40.901 ; -0.001,27.003 cw(c12,-6) 32.412,22.576 ; 0,30 cw(c-9.5,15) 0.682,0.454 ; 0.008,12.876 ccw(c-2.75,55.25) 32.072,30.949 ; 0.015,35.03 ccw(c16.25,68.25) 32.078,34.835 ; 0.081,30.436 ccw(c-3,52) 15.852,41.086 ; 6.714,0.167 cw(c34.255,-15.868) 32.006,15.922 ; 8.762,0.132 cw(c48.5,7) 26.947,41.084 ; 11.382,40.995 ccw(c43.25,41.25) 32.141,11.38 ; 12,15.5 cw(c14.5,-3.5) 32.26,3.7 ; 15.36,-0.003 cw(c42.25,-0.25) 32.135,24.666 ; 22.606,41.09 cw(c15,23.5) 32.533,31.235 ; 23.618,41.137 ccw(c41.65,34.65) 32.04,18.07 ; 24.157,-0.251 ccw(c14,16) 32.707,11.843
  text ".Layer_Name" at 298.5,-23 h3.5
Top Paste:
  text ".Layer_Name" at 298.5,-23 h3.5
Bottom Paste:
  text ".Layer_Name" at 298.5,-23 h3.5
Top Solder:
  rectangle: 2.45,0 7.55,3
  rectangle: 24.45,0 29.55,3
  lines w0.2: 0,2 ccw(c2,2) 2,0 30,0 ccw(c30,2) 32,2 32,39 ccw(c30,39) 30,41 2,41 ccw(c2,39) 0,39 0,2
  text ".Layer_Name" at 298.5,-23 h3.5
Bottom Solder:
  rectangle: 2.45,0 7.55,3
  rectangle: 24.45,0 29.55,3
  lines w0.2: 0,2 ccw(c2,2) 2,0 30,0 ccw(c30,2) 32,2 32,39 ccw(c30,39) 30,41 2,41 ccw(c2,39) 0,39 0,2
  text ".Layer_Name" at 298.5,-23 h3.5
Drill Guide:
  text ".Layer_Name" at 298.5,-23 h3.5
3D Symbols:
  text ".Layer_Name" at 298.5,-23 h3.5
Outline:
  the board outline again, w0.2
Comments:
  text ".Layer_Name" at 298.5,-23 h3.5
Fabrication:
  text "All Dimensions are in mm" at 5,-16 h1
  text ".Layer_Name" at 298.5,-23 h3.5
Placebound Top:
  text ".Layer_Name" at 298.5,-23 h3.5
Placebound Bottom:
  text ".Layer_Name" at 298.5,-23 h3.5
Frame:
  drawing of 15 lines, arcs and shapes, not listed
  text "Document" at 294,-8 h2
  text ".PCB_TITLE" at 295.5,-13.5 h4
  text "Layer Name" at 294,-18 h2
  text "Date" at 294,-28 h2
  text "Rev" at 334,-28 h2
  text ".Print_Date" at 297,-33.5 h3.5
  text ".PCB_REV" at 338.5,-33.5 h4
  text "Desginer" at 244,-38 h2
  text "Document" at 294,-38 h2
  text ".Pcb_File_Name_No_Path" at 295.5,-43 h1.5
  text ".PCB_ENGINEER" at 248.5,-43.5 h4
Assembly Top:
  text ".Layer_Name" at 298.5,-23 h0.5
Assembly Bottom:
  text ".Layer_Name" at 298.5,-23 h3.5
Drill Drawing:
  text ".legend" at 52.5,17.75 h1

## Dimensions
0,2 to 5,3 on Drill Drawing
2,0 to 5,3 on Drill Drawing
2,2 to -3.5,-2.5 on Fabrication
0,39 to 32,39 on Fabrication
30,41 to 30,0 on Fabrication